# Altium PCB H-00488.PcbDoc (part 4 of 9) (continued)
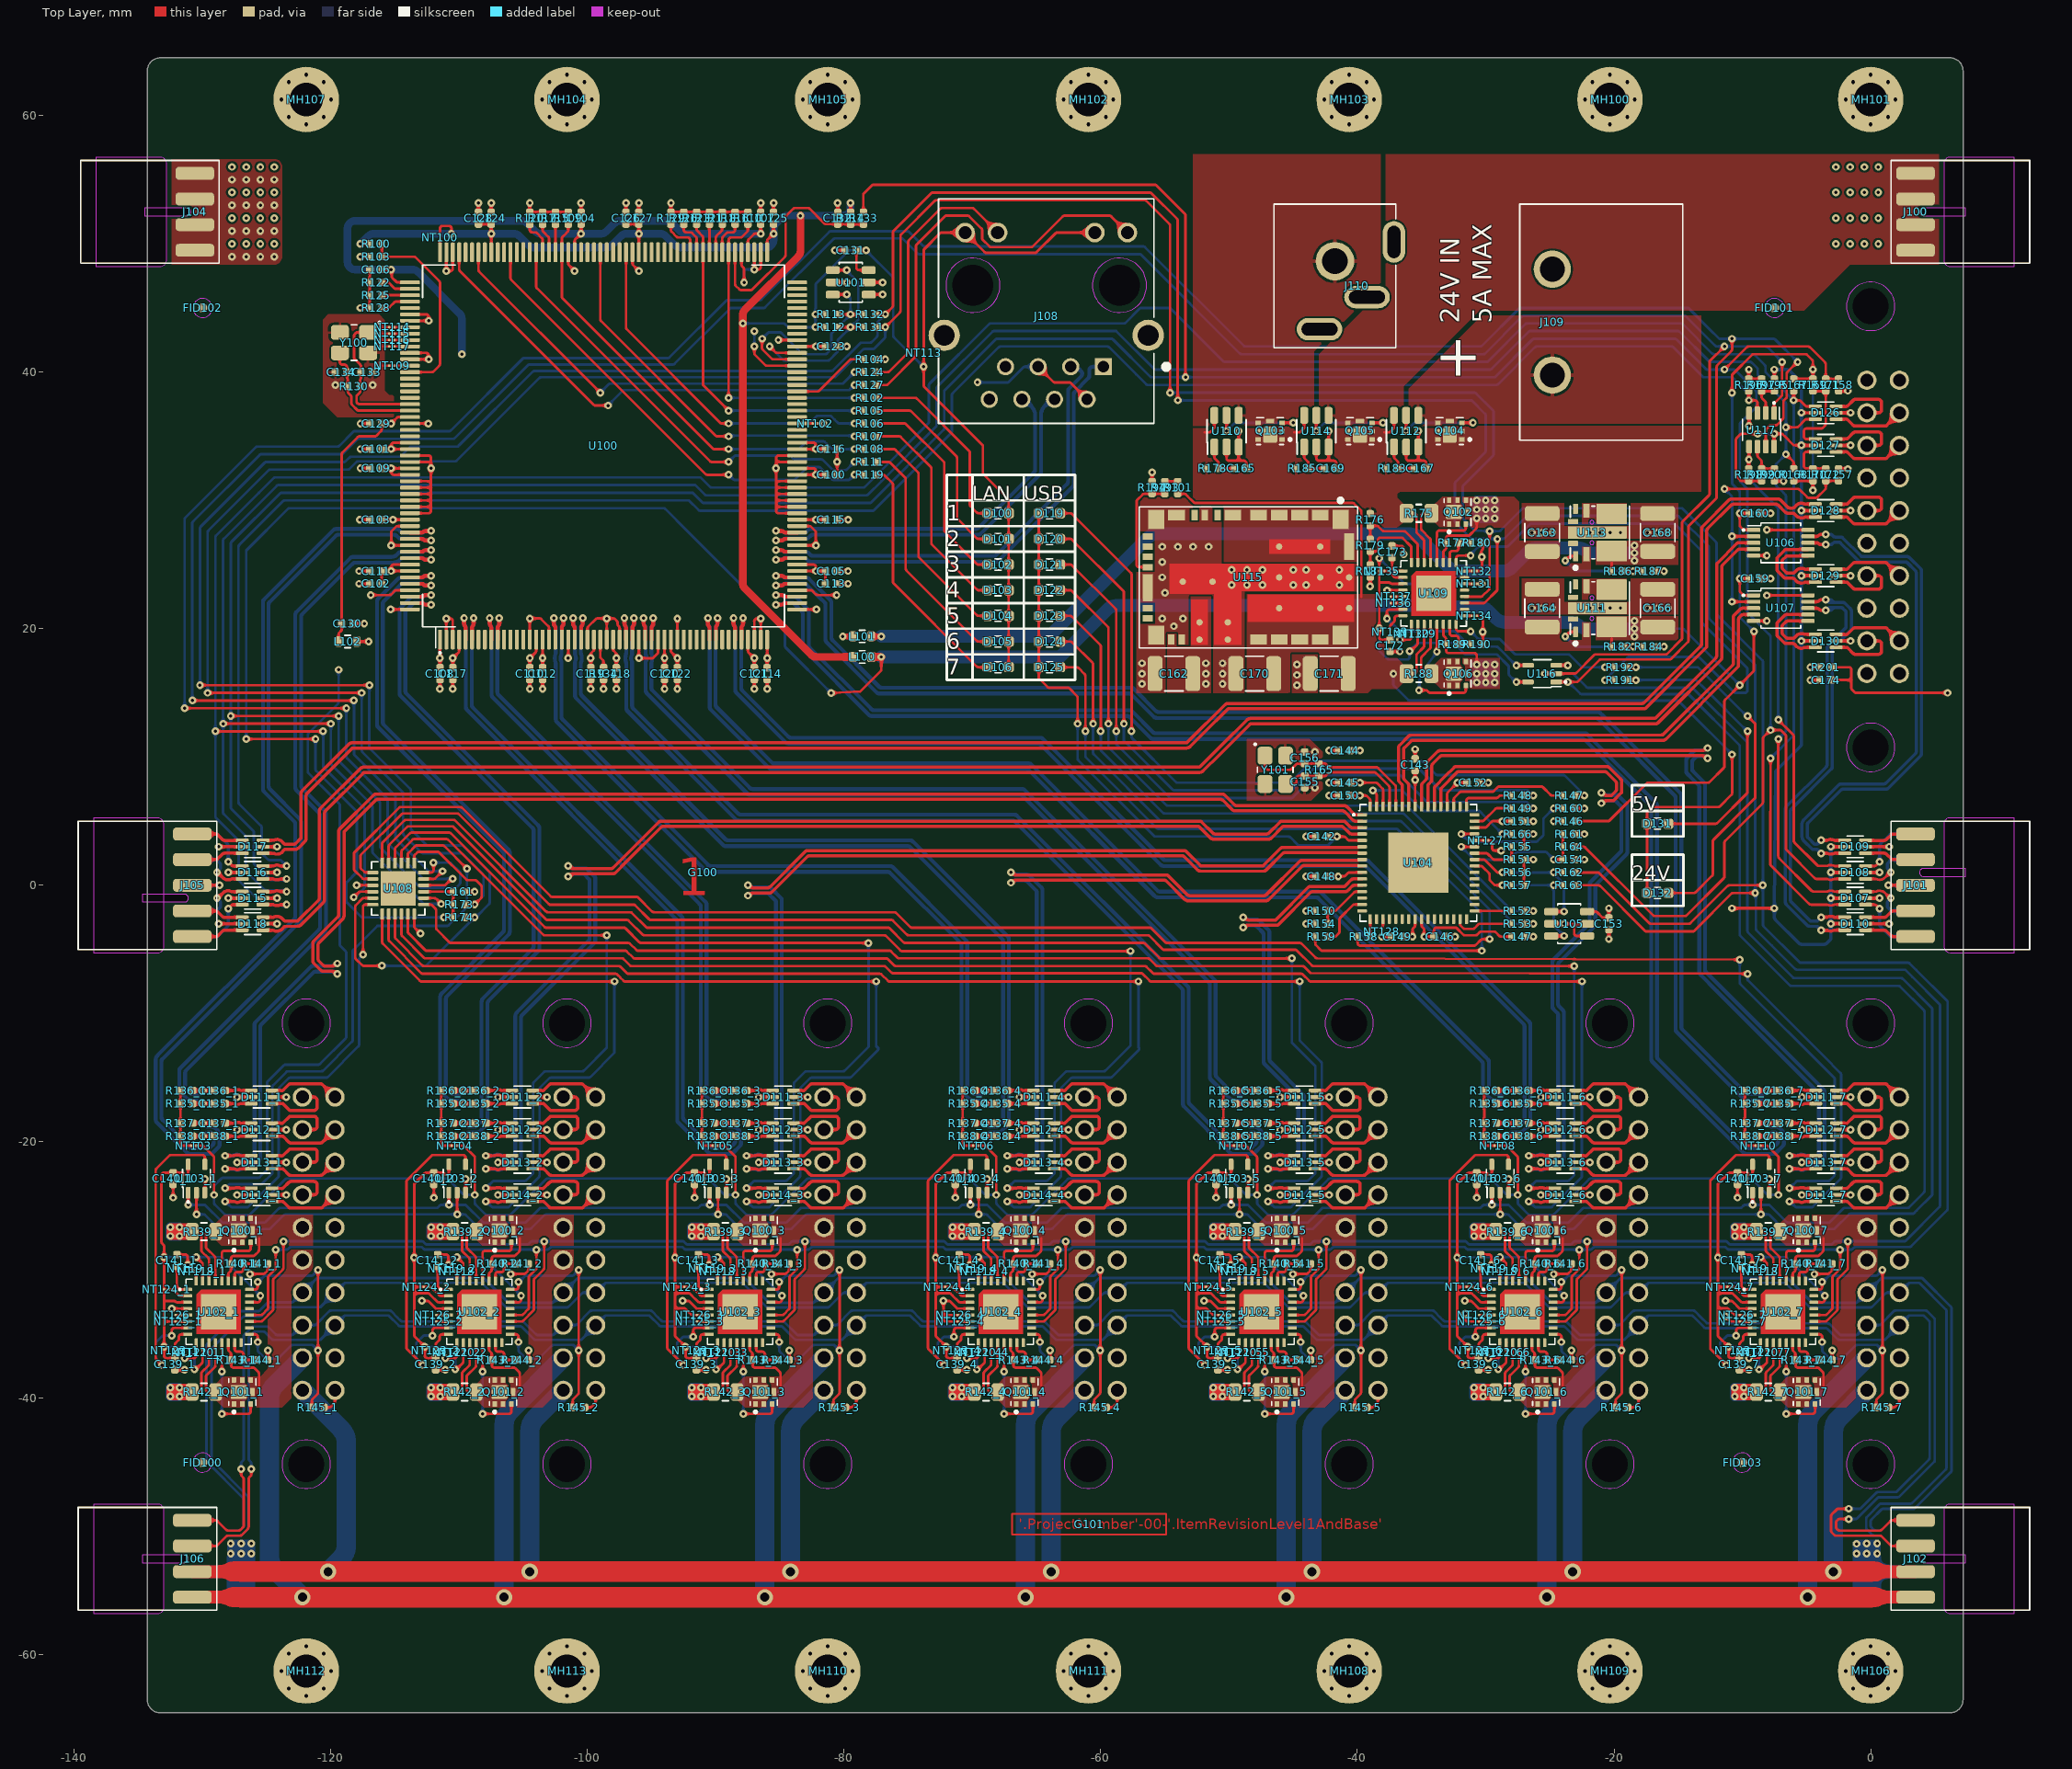
[diagram p0: Top Layer view]
## Nets (pads, with @x,y where several pads share a name; then routed paths per layer and width w, separated by ;. In a path a pad name is that pad's centre, name@x,y a point inside that pad or via, vN(x,y) a via of type N, cw(c..) or ccw(c..) an arc to the next point about the centre after c; other vN are vias at no path point) (continued)
  other v1: -1.1,-51.329 -127,-51.3 -128.75,-33.254 -108.43,-33.254 -88.11,-33.254 -67.79,-33.254 -47.47,-33.254 -27.15,-33.254 -6.83,-33.254 -132.288,-24.348 -111.968,-24.348 -91.648,-24.348 -71.328,-24.348 -51.008,-24.348 -30.688,-24.348 -10.368,-24.348 -35.25,1.75 -43.3,7.6 -43.3,10.4 -44.7,15.6 -56.8,15.7 -50.5,15.7 -44.7,16.4 -56.8,16.5 -50.5,16.5 -44.7,17.2 -56.8,17.3 -50.5,17.3 -16.1,18.596 -54.3,20.2 -55.2,20.8 -53.6,20.8 -26.4,21.6 -25.6,21.6 -24.8,21.6 -21.9,21.6 -21.1,21.6 -20.3,21.6 -19.5,21.6 -17.4,21.6 -16.6,21.6 -15.8,21.6 -34.05,22.746 -55,22.8 -49.8,23.4 -48.6,23.4 -47.4,23.4 -45,23.4 -44,23.4 -41.4,23.4 -55.2,24 -16.1,24.496 -49.8,24.6 -48.6,24.6 -47.4,24.6 -45,24.6 -44,24.6 -41.4,24.6 -55.2,25.2 -55.2,26.4 -54,26.4 -52.8,26.4 -51.6,26.4 -26.4,27.5 -25.6,27.5 -24.8,27.5 -21.9,27.5 -21.1,27.5 -20.3,27.5 -19.5,27.5 -17.4,27.5 -16.6,27.5 -15.8,27.5 -9.475,35.808 -119.655,38.999 -116.745,38.999 -127.7,50 -126.6,50 -125.5,50 -124.4,50 -2.7,50 -1.6,50 -0.5,50 0.6,50 -127.7,52 -126.6,52 -125.5,52 -124.4,52 -2.7,52 -1.6,52 -0.5,52 0.6,52 -127.7,54 -126.6,54 -125.5,54 -124.4,54 -2.7,54 -1.6,54 -0.5,54 0.6,54 -127.7,56 -126.6,56 -125.5,56 -124.4,56 -2.7,56 -1.6,56 -0.5,56 0.6,56
GNDC: C174.1 MH100.1 MH101.1 MH102.1 MH103.1 MH104.1 MH105.1 MH106.1 MH107.1 MH108.1 MH109.1 MH110.1 MH111.1 MH112.1 MH113.1 R201.1 | length 12.2
  Top Layer w0.2: R201.1@-3.006,17 -1.7,17 cw(c-1.7,16.8) -1.5,16.8 -1.5,16 ; C174.1@-3,16 -1.5,16 ; v1(6,15) -1.118,15 cw(c-1.117,15.2) -1.258,15.058 -1.441,15.241 cw(c-1.3,15.383) -1.5,15.383 -1.5,16
  other v2: -121.92,-63.18 -101.6,-63.18 -81.28,-63.18 -60.96,-63.18 -40.64,-63.18 -20.32,-63.18 0,-63.18 -123.28,-62.61 -120.56,-62.61 -102.96,-62.61 -100.24,-62.61 -82.64,-62.61 -79.92,-62.61 -62.32,-62.61 -59.6,-62.61 -42,-62.61 -39.28,-62.61 -21.68,-62.61 -18.96,-62.61 -1.36,-62.61 1.36,-62.61 -123.85,-61.25 -119.99,-61.25 -103.53,-61.25 -99.67,-61.25 -83.21,-61.25 -79.35,-61.25 -62.89,-61.25 -59.03,-61.25 -42.57,-61.25 -38.71,-61.25 -22.25,-61.25 -18.39,-61.25 -1.93,-61.25 1.93,-61.25 -123.28,-59.89 -120.56,-59.89 -102.96,-59.89 -100.24,-59.89 -82.64,-59.89 -79.92,-59.89 -62.32,-59.89 -59.6,-59.89 -42,-59.89 -39.28,-59.89 -21.68,-59.89 -18.96,-59.89 -1.36,-59.89 1.36,-59.89 -121.92,-59.32 -101.6,-59.32 -81.28,-59.32 -60.96,-59.32 -40.64,-59.32 -20.32,-59.32 0,-59.32 -121.92,59.32 -101.6,59.32 -81.28,59.32 -60.96,59.32 -40.64,59.32 -20.32,59.32 0,59.32 -123.28,59.89 -120.56,59.89 -102.96,59.89 -100.24,59.89 -82.64,59.89 -79.92,59.89 -62.32,59.89 -59.6,59.89 -42,59.89 -39.28,59.89 -21.68,59.89 -18.96,59.89 -1.36,59.89 1.36,59.89 -123.85,61.25 -119.99,61.25 -103.53,61.25 -99.67,61.25 -83.21,61.25 -79.35,61.25 -62.89,61.25 -59.03,61.25 -42.57,61.25 -38.71,61.25 -22.25,61.25 -18.39,61.25 -1.93,61.25 1.93,61.25 -123.28,62.61 -120.56,62.61 -102.96,62.61 -100.24,62.61 -82.64,62.61 -79.92,62.61 -62.32,62.61 -59.6,62.61 -42,62.61 -39.28,62.61 -21.68,62.61 -18.96,62.61 -1.36,62.61 1.36,62.61 -121.92,63.18 -101.6,63.18 -81.28,63.18 -60.96,63.18 -40.64,63.18 -20.32,63.18 0,63.18
GPIO1_1: U102_1.25
GPIO1_2: U102_2.25
GPIO1_3: U102_3.25
GPIO1_4: U102_4.25
GPIO1_5: U102_5.25
GPIO1_6: U102_6.25
GPIO1_7: U102_7.25
GPIO2_1: U102_1.16
GPIO2_2: U102_2.16
GPIO2_3: U102_3.16
GPIO2_4: U102_4.16
GPIO2_5: U102_5.16
GPIO2_6: U102_6.16
GPIO2_7: U102_7.16
HOST1.D_N: U104.58 U107.4 | length 38.4
  Top Layer w0.25: -36.4,8.399 ccw(c-36.15,8.4) -36.327,8.224 -36.073,7.97 cw(c-36.25,7.793) -36,7.793 U104.58@-36,6.135 ; -36.4,8.4 -36.4,10.561 cw(c-36.15,10.56) -36.328,10.736 -35.829,11.235 cw(c-35.652,11.058) -35.652,11.308 -16.15,11.308 ccw(c-16.15,11.558) -15.974,11.38 -10.372,16.982 ccw(c-10.55,17.158) -10.3,17.158 -10.3,20.722 cw(c-10.05,20.722) -10.227,20.898 -10.098,21.027 cw(c-9.922,20.85) -9.922,21.1 U107.4@-9.12,21.1
HOST1.D_P: U104.59 U107.3 | length 39.1
  Top Layer w0.25: U104.59@-36.5,6.135 -36.5,7.727 ccw(c-36.75,7.727) -36.573,7.904 -36.728,8.058 cw(c-36.55,8.234) -36.8,8.234 -36.8,10.727 cw(c-36.55,10.726) -36.728,10.901 -35.995,11.635 cw(c-35.818,11.458) -35.818,11.708 -16.316,11.708 ccw(c-16.316,11.958) -16.14,11.78 -10.773,17.147 ccw(c-10.95,17.323) -10.7,17.322 ; -10.7,17.323 -10.7,20.887 cw(c-10.45,20.887) -10.627,21.064 -10.163,21.527 cw(c-9.987,21.35) -9.987,21.6 U107.3@-9.12,21.6
HOST2.D_N: D118.4 U106.4 | length 136.7
  Top Layer w0.25: D118.4@-125.343,-3.508 -124.527,-3.508 ; -124.427,-3.528 ccw(c-124.228,-3.064) -124.423,-3.53 ccw(c-124.2,-3) -123.718,-3.314 cw(c-123.509,-3.45) -123.509,-3.2 -122.592,-3.2 ccw(c-122.592,-2.95) -122.568,-3.199 -122.56,-3.198 ccw(c-122.6,-2.8) -122.317,-3.083 -120.606,-1.372 ccw(c-120.889,-1.089) -120.491,-1.129 -120.491,-1.123 ccw(c-120.739,-1.097) -120.489,-1.097 -120.489,5.641 cw(c-120.239,5.641) -120.416,5.819 -117.508,8.727 cw(c-117.331,8.55) -117.331,8.8 -52.3,8.8 ccw(c-52.3,9.2) -52.017,8.917 -50.741,10.194 -48.408,12.527 cw(c-48.231,12.35) -48.231,12.6 -16.738,12.6 ccw(c-16.738,12.85) -16.561,12.673 -11.677,17.557 ccw(c-11.854,17.734) -11.604,17.734 -11.604,24.795 cw(c-11.354,24.795) -11.531,24.972 -10.375,26.127 cw(c-10.199,25.95) -10.199,26.2 U106.4@-9.12,26.2
HOST2.D_P: D118.6 U106.3 | length 136.8
  Top Layer w0.25: D118.6@-125.343,-2.492 -124.527,-2.492 ccw(c-124.526,-2.242) -124.427,-2.472 cw(c-124.2,-3) -123.718,-2.686 ccw(c-123.509,-2.55) -123.509,-2.8 -122.704,-2.8 ccw(c-122.704,-2.55) -122.527,-2.727 -120.963,-1.163 ccw(c-121.139,-0.986) -120.889,-0.986 -120.889,5.807 cw(c-120.639,5.807) -120.816,5.984 -117.673,9.127 cw(c-117.496,8.95) -117.496,9.2 -52.404,9.2 ccw(c-52.404,9.45) -52.227,9.273 ; -52.227,9.273 -50.547,10.953 -50.542,10.958 -48.619,12.881 cw(c-48.334,12.6) -48.334,13 -16.904,13 ccw(c-16.904,13.25) -16.727,13.073 -12.077,17.723 ccw(c-12.254,17.9) -12.004,17.9 -12.004,24.961 cw(c-11.754,24.961) -11.931,25.138 -10.441,26.627 cw(c-10.265,26.45) -10.265,26.7 U106.3@-9.12,26.7
HOST3.D_N: D117.4 D128.6 | length 140.1
  Top Layer w0.25: D117.4@-125.343,2.492 -124.527,2.492 cw(c-124.526,2.242) -124.427,2.472 ccw(c-124.228,2.936) -124.423,2.47 ccw(c-124.2,3) -123.718,2.686 cw(c-123.509,2.55) -123.509,2.8 -122.8,2.8 ccw(c-122.8,3.2) -122.517,2.918 -122.037,3.397 ccw(c-122.32,3.68) -121.938,3.562 ccw(c-122.17,3.655) -121.92,3.655 -121.92,7.011 cw(c-121.67,7.011) -121.846,7.188 -118.408,10.627 cw(c-118.231,10.45) -118.231,10.7 -53.3,10.7 ccw(c-53.3,11.1) -53.017,10.817 -52.01,11.824 -50.137,13.697 cw(c-49.96,13.52) -49.96,13.77 -17.668,13.77 ccw(c-17.668,14.02) -17.491,13.843 -12.845,18.49 ccw(c-13.021,18.666) -12.771,18.666 -12.771,27.631 cw(c-12.521,27.63) -12.699,27.806 -10.878,29.627 cw(c-10.701,29.45) -10.701,29.7 -7.369,29.7 cw(c-7.369,29.45) -7.319,29.695 -7.192,29.627 -6.65,29.084 ccw(c-6.472,29.26) -6.473,29.01 ; -6.472,29.01 -6.086,29.01 cw(c-6.086,28.76) -5.877,28.896 ccw(c-5.395,29.21) -5.172,28.68 ccw(c-5.367,29.146) -5.168,28.682 cw(c-5.069,28.452) -5.068,28.702 D128.6@-4.252,28.702
HOST3.D_P: D117.6 D128.4 | length 140.1
  Top Layer w0.25: D117.6@-125.343,3.508 -124.527,3.508 ccw(c-124.526,3.758) -124.427,3.528 cw(c-124.2,3) -123.718,3.314 ccw(c-123.509,3.45) -123.509,3.2 -122.904,3.2 ccw(c-122.904,3.45) -122.727,3.273 -122.393,3.607 ccw(c-122.57,3.784) -122.32,3.784 -122.32,7.176 cw(c-122.07,7.176) -122.246,7.354 -118.573,11.027 cw(c-118.396,10.85) -118.396,11.1 -53.404,11.1 ccw(c-53.404,11.35) -53.227,11.173 ; -53.227,11.173 -50.303,14.097 cw(c-50.126,13.92) -50.126,14.17 -18.7,14.17 -17.833,14.17 ccw(c-17.833,14.42) -17.657,14.243 -13.245,18.655 ccw(c-13.421,18.832) -13.171,18.832 -13.171,27.797 cw(c-12.921,27.796) -13.099,27.971 -11.044,30.027 cw(c-10.867,29.85) -10.867,30.1 -7.204,30.1 cw(c-7.204,29.85) -7.027,30.027 -6.482,29.482 ccw(c-6.306,29.66) -6.308,29.41 -6.086,29.41 ccw(c-6.086,29.66) -5.877,29.524 cw(c-5.395,29.21) -5.168,29.738 ccw(c-5.069,29.968) -5.068,29.718 D128.4@-4.252,29.718
I2C0.A0: U103_1.1 U103_2.1 U103_3.1 U103_4.1 U103_5.1 U103_6.1 U103_7.1 U108.22 U116.1 U117.7 | length 445
  Top Layer w0.2: v1(-131.4,13.8) v1(-118.8,13.8) ; v1(-131.125,-24.913) U103_1.1@-131.125,-23.96 ; U108.22@-112.775,0 -111.183,0 ccw(c-111.183,0.2) -111.041,0.059 v1@-110.6,0.5 ; v1(-110.805,-24.913) U103_2.1@-110.805,-23.96 ; v1(-90.485,-24.913) U103_3.1@-90.485,-23.96 ; v1(-70.165,-24.913) U103_4.1@-70.165,-23.96 ; v1(-49.845,-24.913) U103_5.1@-49.845,-23.96 ; v1(-29.525,-24.913) U103_6.1@-29.525,-23.96 ; U116.1@-24.5,15.85 v1(-23.6,15.85) -22.933,15.85 ccw(c-22.933,16.05) -22.792,15.908 -21.158,17.542 cw(c-21.017,17.4) -21.017,17.6 -15.683,17.6 ccw(c-15.683,17.8) -15.542,17.658 -14.258,18.942 ccw(c-14.4,19.083) -14.2,19.083 -14.2,27.917 cw(c-14,27.917) -14.141,28.059 -12.058,30.142 ccw(c-12.2,30.283) -12,30.283 -12,40.418 cw(c-11.8,40.417) -11.942,40.558 -10.858,41.642 ccw(c-11,41.783) -10.8,41.783 v1(-10.8,42.6) ; v1(-9.205,-24.913) U103_7.1@-9.205,-23.96 ; U117.7@-8.175,34.2 -8.175,35.439 cw(c-7.975,35.438) -8.117,35.579 -7.905,35.791 cw(c-7.763,35.65) -7.763,35.85 -7.433,35.85 ccw(c-7.433,36.05) -7.291,35.909 -6.859,36.341 ccw(c-7,36.483) -6.8,36.483 -6.8,37.678 cw(c-6.6,37.678) -6.741,37.82 -6.598,37.963 ccw(c-6.74,38.104) -6.54,38.104 -6.54,39.878 cw(c-6.34,39.877) -6.482,40.018 v1@-5.7,40.8
  Bottom Layer w0.2: v1(-131.4,13.8) -131.4,28.517 cw(c-131.2,28.517) -131.342,28.658 -125.859,34.141 cw(c-125.717,34) -125.717,34.2 -119.483,34.2 ccw(c-119.483,34.4) -119.342,34.258 -118.258,35.342 cw(c-118.117,35.2) -118.117,35.4 -110.783,35.4 ccw(c-110.783,35.6) -110.642,35.458 -105.059,41.041 cw(c-104.917,40.9) -104.917,41.1 -93.743,41.1 ccw(c-93.743,41.3) -93.602,41.158 -89.208,45.553 cw(c-89.067,45.411) -89.067,45.611 -86.572,45.611 ccw(c-86.572,45.811) -86.431,45.669 -81.184,50.917 cw(c-81.042,50.775) -81.042,50.975 -75.058,50.975 cw(c-75.058,50.775) -74.917,50.917 -73.859,49.859 ccw(c-73.717,50) -73.717,49.8 -56.683,49.8 cw(c-56.683,49.6) -56.542,49.742 ; v1(-131.125,-24.913) -129.819,-24.913 -128.491,-26.241 ccw(c-128.349,-26.1) -128.349,-26.3 -125.235,-26.3 ccw(c-125.235,-26.1) -125.093,-26.241 -124.057,-25.205 cw(c-123.915,-25.346) -123.915,-25.146 ; -123.914,-25.146 -116.146,-25.146 -111.772,-25.146 ccw(c-111.773,-24.946) -111.631,-25.087 -111.516,-24.972 cw(c-111.374,-25.113) -111.374,-24.913 v1(-110.805,-24.913) -109.499,-24.913 -108.171,-26.241 ccw(c-108.029,-26.1) -108.029,-26.3 -104.915,-26.3 ccw(c-104.915,-26.1) -104.773,-26.241 -103.737,-25.205 cw(c-103.595,-25.346) -103.595,-25.146 ; v1(-118.8,13.8) -118.8,10.036 ccw(c-118.6,10.037) -118.741,9.896 -115.628,6.782 cw(c-115.769,6.64) -115.569,6.64 -115.569,3.352 ccw(c-115.369,3.352) -115.51,3.21 -112.859,0.559 ccw(c-112.717,0.7) -112.717,0.5 v1(-110.5,0.5) ; -103.594,-25.146 -91.452,-25.146 ccw(c-91.453,-24.946) -91.311,-25.087 -91.196,-24.972 cw(c-91.054,-25.113) -91.054,-24.913 v1(-90.485,-24.913) -89.179,-24.913 -87.851,-26.241 ccw(c-87.709,-26.1) -87.709,-26.3 -84.595,-26.3 ccw(c-84.595,-26.1) -84.453,-26.241 -83.417,-25.205 cw(c-83.275,-25.346) -83.275,-25.146 ; -83.274,-25.146 -71.132,-25.146 ccw(c-71.133,-24.946) -70.991,-25.087 -70.876,-24.972 cw(c-70.734,-25.113) -70.734,-24.913 v1(-70.165,-24.913) -68.859,-24.913 -67.531,-26.241 ccw(c-67.389,-26.1) -67.389,-26.3 -64.275,-26.3 ccw(c-64.275,-26.1) -64.133,-26.241 -63.097,-25.205 cw(c-62.955,-25.346) -62.955,-25.146 ; -62.954,-25.146 -50.812,-25.146 ccw(c-50.813,-24.946) -50.671,-25.087 -50.556,-24.972 cw(c-50.414,-25.113) -50.414,-24.913 v1(-49.845,-24.913) -48.539,-24.913 -47.211,-26.241 ccw(c-47.069,-26.1) -47.069,-26.3 -43.955,-26.3 ccw(c-43.955,-26.1) -43.813,-26.241 -42.777,-25.205 cw(c-42.635,-25.346) -42.635,-25.146 ; -56.541,49.741 -48.859,42.059 ccw(c-48.717,42.2) -48.717,42 -30.428,42 ccw(c-30.428,42.2) -30.287,42.059 -27.404,44.941 cw(c-27.263,44.8) -27.263,45 -14.283,45 cw(c-14.283,44.8) -14.142,44.942 -14.071,44.871 -12.6,43.4 -11.8,42.6 v1(-10.8,42.6) -7.583,42.6 cw(c-7.583,42.4) -7.441,42.541 v1@-5.701,40.801 ; -42.634,-25.146 -30.492,-25.146 ccw(c-30.493,-24.946) -30.351,-25.087 -30.236,-24.972 cw(c-30.094,-25.113) -30.094,-24.913 v1(-29.525,-24.913) -28.219,-24.913 -26.891,-26.241 ccw(c-26.749,-26.1) -26.749,-26.3 -23.635,-26.3 ccw(c-23.635,-26.1) -23.493,-26.241 -22.457,-25.205 cw(c-22.315,-25.346) -22.315,-25.146 ; v1@-23.6,15.85 cw(c-23.636,15.653) -23.495,15.795 -22.659,14.959 ccw(c-22.517,15.1) -22.518,14.9 -14.283,14.9 cw(c-14.283,14.7) -14.141,14.841 -10.259,10.959 cw(c-10.4,10.817) -10.2,10.817 -10.2,-3.814 ccw(c-10,-3.814) -10.142,-3.955 -6.318,-7.779 ccw(c-6.177,-7.637) -6.178,-7.837 2.157,-7.837 cw(c2.157,-8.037) 2.298,-7.895 4.142,-9.739 cw(c4,-9.88) 4.2,-9.88 4.2,-23.817 cw(c4,-23.817) 4.141,-23.959 3.155,-24.945 3.013,-25.087 cw(c2.871,-24.946) 2.871,-25.146 -1.995,-25.146 ccw(c-1.995,-25.346) -2.137,-25.205 -3.173,-26.241 cw(c-3.315,-26.1) -3.315,-26.3 -6.429,-26.3 cw(c-6.429,-26.1) -6.571,-26.241 -7.899,-24.913 v1(-9.205,-24.913) -9.774,-24.913 ccw(c-9.774,-25.113) -9.916,-24.972 -10.031,-25.087 cw(c-10.173,-24.946) -10.172,-25.146 -22.314,-25.146
  other v1: -5.7,40.8
I2C0.A1: U103_1.2 U103_2.2 U103_3.2 U103_4.2 U103_5.2 U103_6.2 U103_7.2 U108.23 U116.2 U117.1 | length 441.3
  Top Layer w0.2: v1(-130.8,14.4) v1(-118.2,14.4) ; v1@-130.475,-25.475 U103_1.2@-130.475,-23.96 ; U108.23@-112.775,0.5 -111.983,0.5 ccw(c-111.983,0.7) -111.841,0.559 ; -111.841,0.559 v1@-111.459,0.941 ; v1@-110.155,-25.475 U103_2.2@-110.155,-23.96 ; v1@-89.835,-25.475 U103_3.2@-89.835,-23.96 ; v1@-69.515,-25.475 U103_4.2@-69.515,-23.96 ; v1@-49.195,-25.475 U103_5.2@-49.195,-23.96 ; v1@-28.875,-25.475 U103_6.2@-28.875,-23.96 ; v1(-25.4,16.5) U116.2@-24.5,16.5 -23.083,16.5 ccw(c-23.083,16.7) -22.942,16.558 -21.558,17.942 cw(c-21.417,17.8) -21.417,18 -15.983,18 ccw(c-15.983,18.2) -15.842,18.058 -14.758,19.142 ccw(c-14.9,19.283) -14.7,19.283 -14.7,28.217 cw(c-14.5,28.217) -14.641,28.359 -12.6,30.4 ccw(c-12.742,30.54) -12.542,30.54 -12.542,40.858 v1(-11.4,42) ; v1@-8.555,-25.475 U103_7.2@-8.555,-23.96 ; U117.1@-7.525,36.8 -7.525,37.481 cw(c-7.325,37.48) -7.467,37.621 -6.959,38.129 ccw(c-7.1,38.271) -6.9,38.271 v1(-6.9,40.8)
  Bottom Layer w0.2: v1(-130.8,14.4) -130.8,28.217 cw(c-130.6,28.217) -130.741,28.359 -125.559,33.541 cw(c-125.417,33.4) -125.417,33.6 -119.183,33.6 ccw(c-119.183,33.8) -119.041,33.659 -117.959,34.741 cw(c-117.817,34.6) -117.817,34.8 -110.483,34.8 ccw(c-110.483,35) -110.341,34.859 -104.659,40.541 cw(c-104.517,40.4) -104.517,40.6 -93.344,40.6 ccw(c-93.344,40.8) -93.203,40.658 -88.92,44.941 cw(c-88.779,44.8) -88.779,45 -86.283,45 ccw(c-86.283,45.2) -86.142,45.058 -80.834,50.366 cw(c-80.693,50.224) -80.693,50.424 -75.544,50.424 cw(c-75.544,50.224) -75.403,50.366 -75.374,50.337 -74.296,49.259 ccw(c-74.154,49.4) -74.156,49.2 -56.983,49.2 cw(c-56.983,49) -56.841,49.141 -49.159,41.459 ccw(c-49.017,41.6) -49.017,41.4 -30.18,41.4 ccw(c-30.18,41.6) -30.038,41.459 -27.156,44.341 cw(c-27.014,44.2) -27.014,44.4 -14.531,44.4 cw(c-14.531,44.2) -14.39,44.342 -14.154,44.105 -12.107,42.058 ccw(c-11.966,42.2) -11.966,42 v1(-11.4,42) -8.183,42 cw(c-8.183,41.8) -8.041,41.941 v1(-6.9,40.8) ; v1(-130.475,-25.656) -129.936,-25.656 cw(c-129.936,-25.856) -129.795,-25.714 ; -129.794,-25.715 -128.768,-26.741 ccw(c-128.626,-26.6) -128.626,-26.8 -124.846,-26.8 ccw(c-124.846,-26.6) -124.704,-26.741 -123.677,-25.714 -123.674,-25.713 -123.537,-25.656 -122.318,-25.656 v1@-110.176,-25.656 ; v1(-118.2,14.4) -118.2,10.284 ccw(c-118,10.286) -118.141,10.144 -115.028,7.03 cw(c-115.169,6.889) -114.969,6.889 -114.969,3.752 ccw(c-114.769,3.752) -114.91,3.61 -112.459,1.159 ccw(c-112.317,1.3) -112.317,1.1 v1(-111.3,1.1) ; v1@-110.176,-25.656 v1(-110.155,-25.656) -109.616,-25.656 cw(c-109.616,-25.856) -109.475,-25.714 ; -109.474,-25.715 -108.448,-26.741 ccw(c-108.306,-26.6) -108.306,-26.8 -104.526,-26.8 ccw(c-104.526,-26.6) -104.384,-26.741 -103.357,-25.714 -103.217,-25.656 -101.998,-25.656 v1@-89.856,-25.656 ; v1@-89.856,-25.656 v1(-89.835,-25.656) -89.296,-25.656 cw(c-89.296,-25.856) -89.155,-25.714 ; -89.154,-25.715 -88.128,-26.741 ccw(c-87.986,-26.6) -87.986,-26.8 -84.206,-26.8 ccw(c-84.206,-26.6) -84.064,-26.741 -83.037,-25.714 -82.897,-25.656 -81.678,-25.656 v1@-69.536,-25.656 ; v1@-69.536,-25.656 v1(-69.515,-25.656) -68.976,-25.656 cw(c-68.976,-25.856) -68.835,-25.714 ; -68.834,-25.715 -67.808,-26.741 ccw(c-67.666,-26.6) -67.666,-26.8 -63.886,-26.8 ccw(c-63.886,-26.6) -63.744,-26.741 -62.717,-25.714 -62.577,-25.656 -61.358,-25.656 v1@-49.216,-25.656 ; v1@-49.216,-25.656 v1(-49.195,-25.656) -48.656,-25.656 cw(c-48.656,-25.856) -48.515,-25.714 ; -48.514,-25.715 -47.488,-26.741 ccw(c-47.346,-26.6) -47.346,-26.8 -43.566,-26.8 ccw(c-43.566,-26.6) -43.424,-26.741 -42.397,-25.714 -42.257,-25.656 -41.038,-25.656 v1@-28.896,-25.656 ; v1@-28.896,-25.656 v1(-28.875,-25.656) -28.336,-25.656 cw(c-28.336,-25.856) -28.195,-25.714 ; -28.194,-25.715 -27.168,-26.741 ccw(c-27.026,-26.6) -27.026,-26.8 -23.246,-26.8 ccw(c-23.246,-26.6) -23.104,-26.741 -22.077,-25.714 -21.937,-25.656 -20.718,-25.656 v1@-8.576,-25.656 ; v1(-25.4,16.5) -23.283,16.5 cw(c-23.283,16.3) -23.142,16.442 -22.958,16.258 -22.159,15.459 ccw(c-22.017,15.6) -22.017,15.4 -13.983,15.4 cw(c-13.983,15.2) -13.841,15.341 -9.658,11.158 cw(c-9.8,11.017) -9.6,11.017 -9.6,-3.566 ccw(c-9.4,-3.566) -9.542,-3.707 -6.069,-7.179 ccw(c-5.928,-7.037) -5.929,-7.237 2.355,-7.237 cw(c2.355,-7.437) 2.496,-7.296 4.741,-9.541 cw(c4.6,-9.683) 4.8,-9.683 4.8,-24.066 cw(c4.6,-24.066) 4.742,-24.206 3.59,-25.359 3.407,-25.541 cw(c3.266,-25.4) 3.266,-25.6 -1.56,-25.6 ccw(c-1.56,-25.8) -1.702,-25.659 -2.784,-26.741 cw(c-2.926,-26.6) -2.926,-26.8 -6.706,-26.8 cw(c-6.706,-26.6) -6.848,-26.741 -7.874,-25.715 ; v1@-8.576,-25.656 v1(-8.555,-25.656) -8.016,-25.656 cw(c-8.016,-25.856) -7.875,-25.714
I2C0.RESET: C158.1 D108.6 D116.4 R133.1 R164.1 R171.2 U108.24 | length 318.5
  Top Layer w0.2: v1(-127.8,13.2) v1(-119.4,13.2) ; U108.24@-112.775,1 -112.2,1 ccw(c-112.2,1.2) -112,1.2 v1(-112,1.77) ; R133.1@-78.5,52.5 -78.5,53.9 -77.859,54.541 cw(c-77.717,54.4) -77.717,54.6 -55.783,54.6 cw(c-55.783,54.4) -55.641,54.541 -53.459,52.359 cw(c-53.6,52.217) -53.4,52.217 v1(-53.4,39.6) ; R164.1@-23.02,3 -22.383,3 cw(c-22.383,2.8) -22.241,2.941 -16.958,-2.342 ccw(c-16.817,-2.2) -16.819,-2.4 -14.483,-2.4 ccw(c-14.483,-2.2) -14.342,-2.342 -11.459,0.541 ccw(c-11.6,0.683) -11.4,0.683 -11.4,3.318 cw(c-11.2,3.317) -11.342,3.458 -8.459,6.341 ccw(c-8.6,6.483) -8.4,6.483 -8.4,11.418 cw(c-8.2,11.417) -8.342,11.558 v1(-7.8,12.1) -7.083,12.1 cw(c-7.083,11.9) -6.942,12.042 -6.659,11.759 cw(c-6.8,11.617) -6.6,11.617 -6.6,2.883 ccw(c-6.4,2.883) -6.541,2.741 -4.365,0.565 ccw(c-4.188,0.742) -4.188,0.492 -3.435,0.492 cw(c-3.436,0.242) -3.338,0.472 ccw(c-3.11,1) -2.87,0.477 cw(c-2.767,0.25) -2.769,0.5 D108.6@-2.01,0.5 ; v1(-11.4,40.2) -9.658,41.942 cw(c-9.517,41.8) -9.517,42 -4.883,42 cw(c-4.883,41.8) -4.741,41.941 -3.558,40.758 cw(c-3.7,40.617) -3.5,40.618 ; -3.5,40.617 R171.2@-3.5,39.48 -3.07,39.48 cw(c-3.07,39.28) -3.032,39.476 -2.938,39.459 ccw(c-2.901,39.655) -2.902,39.455 C158.1@-2.5,39.455
  Top Layer w0.25: D116.4@-125.295,0.5 -124.536,0.5 cw(c-124.538,0.25) -124.435,0.477 ccw(c-124.195,1) -123.967,0.472 cw(c-123.869,0.242) -123.87,0.492 v1(-123.458,0.492)
  Bottom Layer w0.2: -127.742,26.773 ccw(c-127.6,26.632) -127.8,26.632 v1(-127.8,13.2) -127.8,6.083 ccw(c-127.6,6.083) -127.741,5.941 -126.059,4.259 cw(c-126.2,4.117) -126,4.117 -126,1.758 ccw(c-125.8,1.758) -125.941,1.616 -124.809,0.484 ccw(c-124.667,0.625) -124.667,0.425 -123.962,0.425 -123.525,0.425 v1(-123.458,0.492) ; -127.741,26.774 -123.974,30.541 cw(c-123.832,30.4) -123.832,30.6 -91.8,30.6 -91.059,29.859 ccw(c-90.917,30) -90.917,29.8 -78.031,29.8 ccw(c-78.031,30) -77.89,29.858 -72.259,35.49 ; v1(-119.4,13.2) -119.4,9.787 ccw(c-119.2,9.789) -119.341,9.647 -116.228,6.533 cw(c-116.369,6.392) -116.169,6.392 -116.169,3.052 ccw(c-115.969,3.052) -116.11,2.91 -113.059,-0.141 ccw(c-112.917,0) -112.917,-0.2 -110.337,-0.2 ccw(c-110.337,0) -110.196,-0.141 -109.963,0.091 ccw(c-110.105,0.233) -109.905,0.233 -109.905,0.908 ccw(c-110.105,0.908) -109.963,1.05 ; v1(-112,1.77) -110.766,1.77 cw(c-110.766,1.57) -110.624,1.711 -109.963,1.05 ; -72.259,35.49 ccw(c-72.4,35.631) -72.2,35.631 -72.2,38.466 cw(c-72,38.466) -72.142,38.607 -68.207,42.541 cw(c-68.066,42.4) -68.066,42.6 -59.183,42.6 cw(c-59.183,42.4) -59.041,42.541 -56.158,39.658 ccw(c-56.017,39.8) -56.019,39.6 v1(-53.4,39.6) -29.3,39.6 -26.359,42.541 cw(c-26.217,42.4) -26.217,42.6 -15.277,42.6 cw(c-15.277,42.4) -15.135,42.541 -12.853,40.259 ccw(c-12.711,40.4) -12.712,40.2 v1(-11.4,40.2) -10.683,40.2 cw(c-10.683,40) -10.541,40.141 -8.971,38.571 cw(c-9.113,38.43) -8.913,38.43 -8.913,37.37 cw(c-9.113,37.37) -8.97,37.23 -10.141,36.059 ccw(c-10,35.917) -10.2,35.917 -10.2,31.583 ccw(c-10,31.583) -10.142,31.442 ; -10.141,31.441 -9.673,30.973 cw(c-9.815,30.832) -9.615,30.832 -9.615,21.34 ccw(c-9.415,21.34) -9.556,21.198 -8.13,19.771 -7.858,19.5 cw(c-8,19.359) -7.8,19.359 v1(-7.8,12.1)
I2C0.SCL: R131.2 R162.1 R173.1 U102_1.20 U102_2.20 U102_3.20 U102_4.20 U102_5.20 U102_6.20 U102_7.20 U108.1 U109.20 | length 484
  Top Layer w0.2: v1(-129.6,15) v1(-117.6,15) ; U102_1.20@-126.346,-33.504 -125.479,-33.504 ccw(c-125.479,-33.304) -125.337,-33.445 -124.955,-33.063 ccw(c-125.096,-32.921) -124.896,-32.921 -124.896,-30.583 cw(c-124.696,-30.583) -124.837,-30.441 -124.359,-29.963 ccw(c-124.5,-29.821) -124.3,-29.821 v1(-124.3,-28.404) ; U108.1@-113.5,1.725 -113.5,2.249 cw(c-113.3,2.249) -113.442,2.39 -113.29,2.542 cw(c-113.149,2.4) -113.15,2.6 ; -113.149,2.6 -111.683,2.6 cw(c-111.683,2.4) -111.541,2.541 -109.459,0.459 ccw(c-109.317,0.6) -109.317,0.4 -108.783,0.4 cw(c-108.783,0.2) -108.641,0.341 -108.309,0.009 cw(c-108.45,-0.133) -108.25,-0.132 ; R173.1@-109.52,-1.5 v1(-108.8,-1.5) -108.309,-1.009 ccw(c-108.45,-0.867) -108.25,-0.867 -108.25,-0.133 ; U102_2.20@-106.026,-33.504 -105.159,-33.504 ccw(c-105.159,-33.304) -105.017,-33.445 -104.635,-33.063 ccw(c-104.776,-32.921) -104.576,-32.921 -104.576,-30.583 cw(c-104.376,-30.583) -104.517,-30.441 -104.039,-29.963 ccw(c-104.18,-29.821) -103.98,-29.821 v1(-103.98,-28.404) ; U102_3.20@-85.706,-33.504 -84.839,-33.504 ccw(c-84.839,-33.304) -84.697,-33.445 -84.315,-33.063 ccw(c-84.456,-32.921) -84.256,-32.921 -84.256,-30.583 cw(c-84.056,-30.583) -84.197,-30.441 -83.719,-29.963 ccw(c-83.86,-29.821) -83.66,-29.821 v1(-83.66,-28.404) ; R131.2@-77.52,43.5 v1(-76.8,43.5) -75.668,44.632 ccw(c-75.809,44.774) -75.609,44.774 -75.609,50.603 cw(c-75.409,50.603) -75.55,50.745 -72.953,53.341 cw(c-72.812,53.2) -72.812,53.4 -56.583,53.4 cw(c-56.583,53.2) -56.441,53.341 -54.659,51.559 cw(c-54.8,51.417) -54.6,51.417 v1(-54.6,38.4) ; U102_4.20@-65.386,-33.504 -64.519,-33.504 ccw(c-64.519,-33.304) -64.377,-33.445 -63.995,-33.063 ccw(c-64.136,-32.921) -63.936,-32.921 -63.936,-30.583 cw(c-63.736,-30.583) -63.877,-30.441 -63.399,-29.963 ccw(c-63.54,-29.821) -63.34,-29.821 v1(-63.34,-28.404) ; U102_5.20@-45.066,-33.504 -44.199,-33.504 ccw(c-44.199,-33.304) -44.057,-33.445 -43.675,-33.063 ccw(c-43.816,-32.921) -43.616,-32.921 -43.616,-30.583 cw(c-43.416,-30.583) -43.557,-30.441 -43.079,-29.963 ccw(c-43.22,-29.821) -43.02,-29.821 v1(-43.02,-28.404) ; U109.20@-31.65,22.5 -30.383,22.5 ccw(c-30.383,22.7) -30.242,22.558 -29.758,23.042 ccw(c-29.9,23.183) -29.7,23.183 v1(-29.7,27.6) ; U102_6.20@-24.746,-33.504 -23.879,-33.504 ccw(c-23.879,-33.304) -23.737,-33.445 -23.355,-33.063 ccw(c-23.496,-32.921) -23.296,-32.921 -23.296,-30.583 cw(c-23.096,-30.583) -23.237,-30.441 -22.759,-29.963 ccw(c-22.9,-29.821) -22.7,-29.821 v1(-22.7,-28.404) ; R162.1@-23.02,1 -21.283,1 cw(c-21.283,0.8) -21.142,0.942 -20.448,0.248 -17.258,-2.942 ccw(c-17.117,-2.8) -17.118,-3 -14.183,-3 ccw(c-14.183,-2.8) -14.042,-2.942 -11.158,-0.058 cw(c-11.017,-0.2) -11.018,0 v1(-8.4,0) ; U102_7.20@-4.426,-33.504 -3.559,-33.504 ccw(c-3.559,-33.304) -3.417,-33.445 -3.035,-33.063 ccw(c-3.176,-32.921) -2.976,-32.921 -2.976,-30.583 cw(c-2.776,-30.583) -2.917,-30.441 -2.439,-29.963 ccw(c-2.58,-29.821) -2.38,-29.821 v1(-2.38,-28.404)
  Bottom Layer w0.2: v1(-129.6,15) -129.6,27.517 cw(c-129.4,27.517) -129.541,27.659 -124.859,32.341 cw(c-124.717,32.2) -124.717,32.4 -118.683,32.4 ccw(c-118.683,32.6) -118.541,32.459 -118.008,32.992 cw(c-117.867,32.85) -117.868,33.05 ; v1@-124.3,-28.4 -123.461,-28.4 ccw(c-123.461,-28.2) -123.32,-28.341 -123.231,-28.253 cw(c-123.09,-28.394) -123.09,-28.194 -112.994,-28.194 cw(c-112.994,-28.394) -112.853,-28.253 -112.764,-28.341 ccw(c-112.623,-28.2) -112.623,-28.4 -103.98,-28.4 -103.141,-28.4 ccw(c-103.141,-28.2) -103,-28.341 -102.911,-28.253 cw(c-102.77,-28.394) -102.77,-28.194 -92.674,-28.194 cw(c-92.674,-28.394) -92.533,-28.253 -92.444,-28.341 ccw(c-92.303,-28.2) -92.303,-28.4 -83.66,-28.4 -82.821,-28.4 ccw(c-82.821,-28.2) -82.68,-28.341 -82.591,-28.253 cw(c-82.45,-28.394) -82.45,-28.194 -72.354,-28.194 cw(c-72.354,-28.394) -72.213,-28.253 -72.124,-28.341 ccw(c-71.983,-28.2) -71.983,-28.4 -63.34,-28.4 -62.501,-28.4 ccw(c-62.501,-28.2) -62.36,-28.341 -62.271,-28.253 cw(c-62.13,-28.394) -62.13,-28.194 -52.034,-28.194 cw(c-52.034,-28.394) -51.893,-28.253 -51.804,-28.341 ccw(c-51.663,-28.2) -51.663,-28.4 -43.02,-28.4 -42.181,-28.4 ccw(c-42.181,-28.2) -42.04,-28.341 -41.951,-28.253 cw(c-41.81,-28.394) -41.81,-28.194 -31.714,-28.194 cw(c-31.714,-28.394) -31.573,-28.253 -31.484,-28.341 ccw(c-31.343,-28.2) -31.343,-28.4 -22.7,-28.4 -21.861,-28.4 ccw(c-21.861,-28.2) -21.72,-28.341 -21.631,-28.253 cw(c-21.49,-28.394) -21.49,-28.194 -11.394,-28.194 cw(c-11.394,-28.394) -11.253,-28.253 -11.164,-28.341 ccw(c-11.023,-28.2) -11.023,-28.4 -2.38,-28.4 -1.541,-28.4 ccw(c-1.541,-28.2) -1.4,-28.341 -1.311,-28.253 cw(c-1.17,-28.394) -1.17,-28.194 3.018,-28.194 ccw(c3.018,-27.994) 3.16,-28.135 5.941,-25.354 ccw(c5.8,-25.212) 6,-25.212 6,-9.134 ccw(c5.8,-9.134) 5.94,-8.992 3.554,-6.605 3.045,-6.097 ccw(c2.903,-6.237) 2.903,-6.037 -5.433,-6.037 cw(c-5.431,-5.837) -5.572,-5.98 -8.342,-3.209 cw(c-8.2,-3.069) -8.4,-3.07 v1(-8.4,0) ccw(c-8.6,0.004) -8.4,0.004 -8.4,17.417 ccw(c-8.6,17.417) -8.458,17.558 ; -117.867,33.05 -110.333,33.05 ccw(c-110.333,33.25) -110.191,33.109 -103.759,39.541 cw(c-103.617,39.4) -103.617,39.6 -80.783,39.6 ccw(c-80.783,39.8) -80.641,39.659 -78.559,41.741 cw(c-78.417,41.6) -78.417,41.8 -77.783,41.8 ccw(c-77.783,42) -77.642,41.858 -76.858,42.642 ccw(c-77,42.783) -76.8,42.783 -76.8,43.498 v1(-76.8,43.5) ; v1(-117.6,15) -117.6,10.533 ccw(c-117.4,10.534) -117.541,10.393 -114.428,7.279 cw(c-114.569,7.137) -114.369,7.137 -114.369,4.052 ccw(c-114.169,4.052) -114.31,3.91 -112.959,2.559 ccw(c-112.817,2.7) -112.817,2.5 -109.883,2.5 cw(c-109.883,2.3) -109.741,2.441 -108.165,0.865 cw(c-108.306,0.723) -108.106,0.723 -108.106,-0.723 cw(c-108.306,-0.723) -108.164,-0.864 v1(-108.8,-1.5) ; v1(-54.6,38.4) -30.883,38.4 cw(c-30.883,38.2) -30.741,38.341 -29.459,37.059 cw(c-29.6,36.917) -29.4,36.917 -29.4,33.583 cw(c-29.6,33.583) -29.458,33.442 -31.742,31.158 ccw(c-31.6,31.017) -31.8,31.018 -31.8,28.683 ccw(c-31.6,28.683) -31.742,28.542 -30.855,27.655 v1(-29.7,27.6) -28.983,27.6 ccw(c-28.983,27.8) -28.842,27.658 -27.158,29.342 cw(c-27.017,29.2) -27.017,29.4 -14.783,29.4 cw(c-14.783,29.2) -14.641,29.341 -12.059,26.759 cw(c-12.2,26.617) -12,26.617 -12,21.183 ccw(c-11.8,21.183) -11.941,21.041 -8.459,17.559